# KiCad board rosco_m68k.kicad_pcb
title: rosco_m68k Classic v2; date: 2024-06-09; rev: 2.2; company: The Really Old-School Company Limited; note: OSHWA UK000006 (https://certification.oshwa.org/uk000006.html); note: https://github.com/rosco-m68k/rosco_m68k/blob/develop/LICENSE; note: Open Source Hardware licenced under CERN Open Hardware Licence; note: Copyright ©2019-2024 Ross Bamford & Contributors
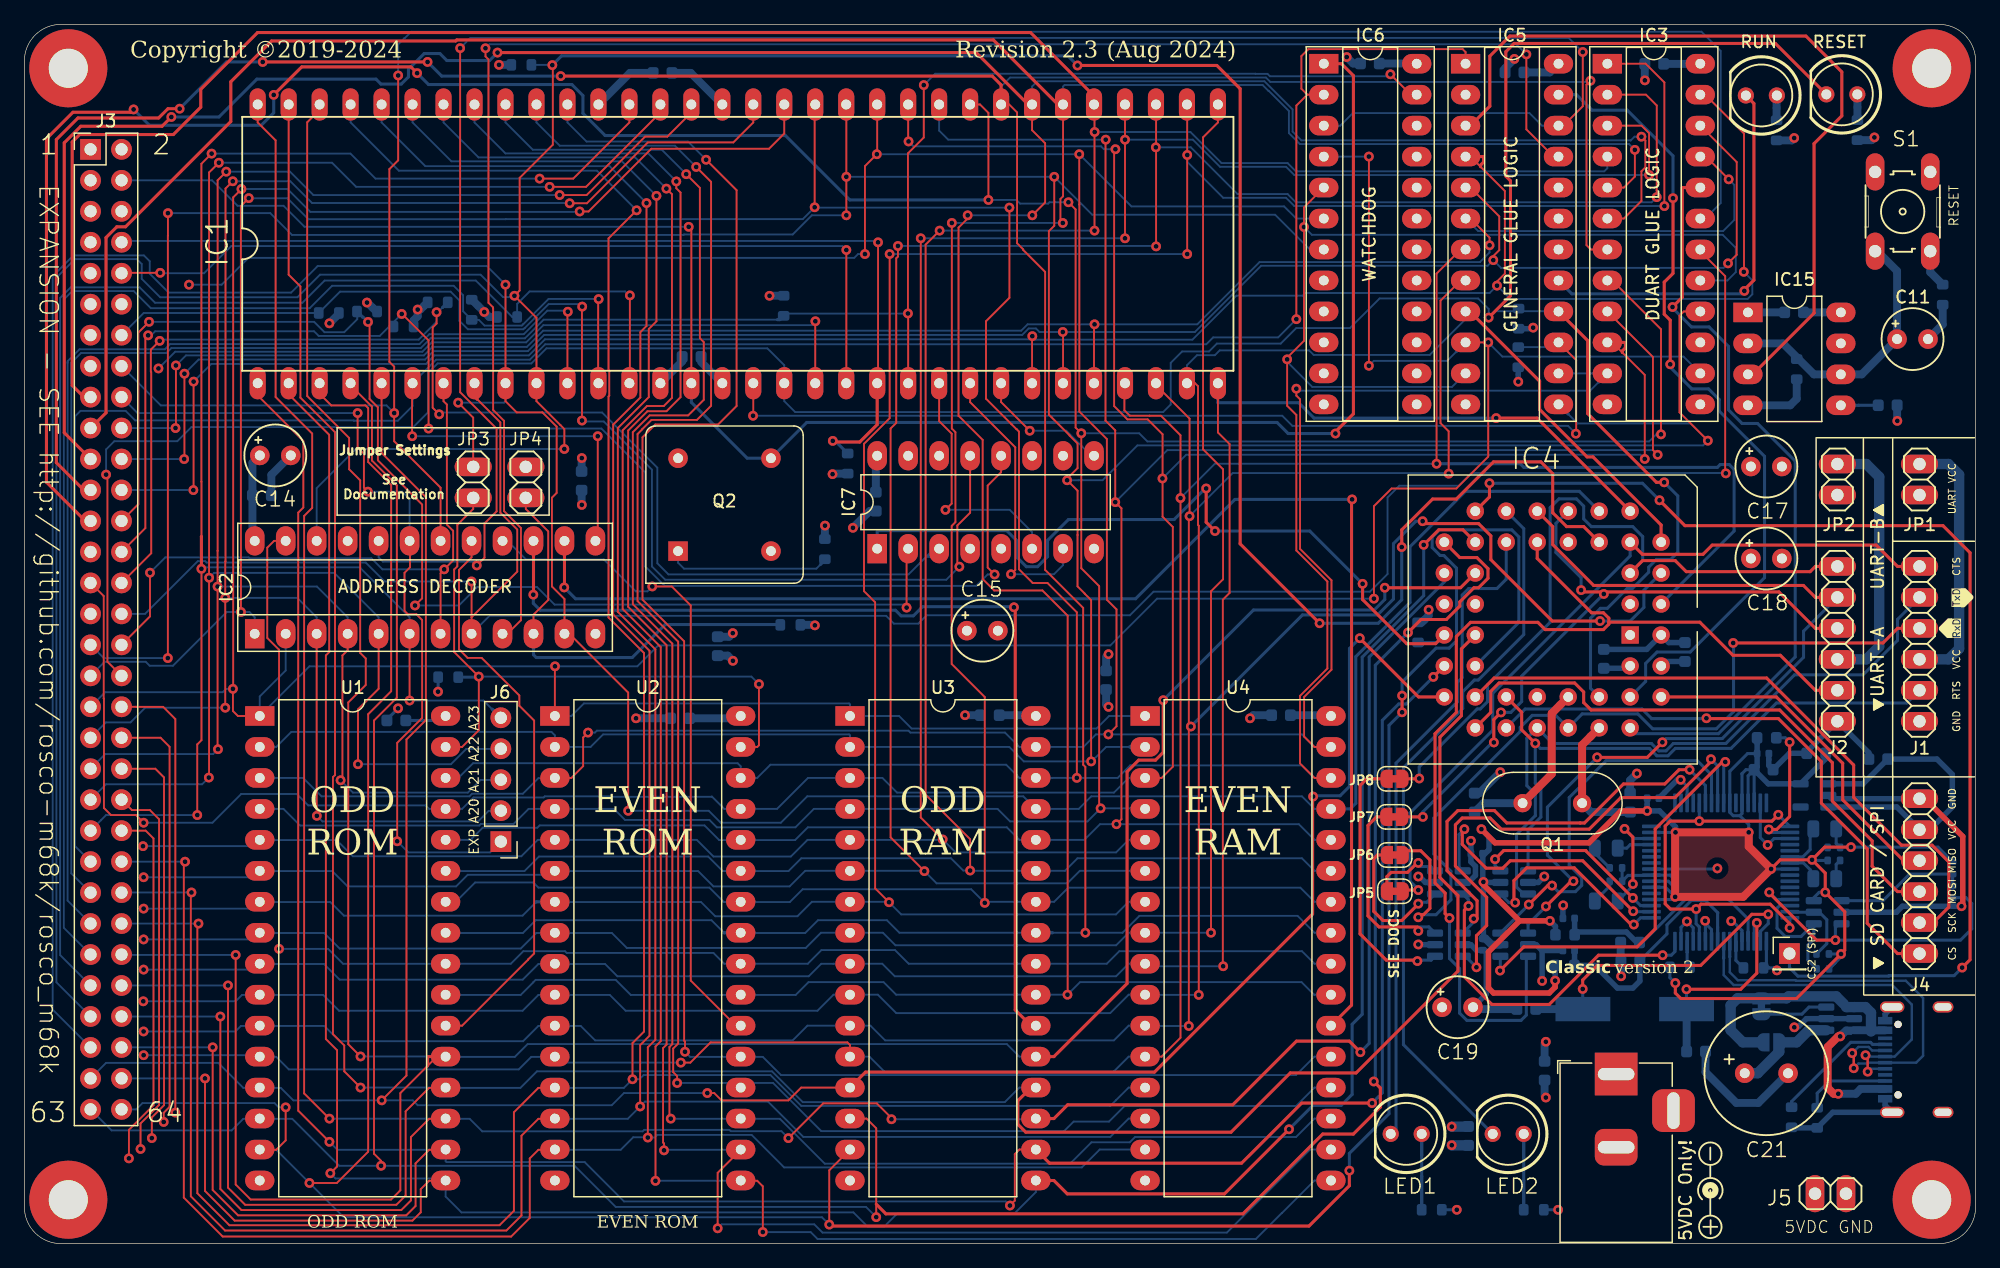
[diagram p0: board, top side]
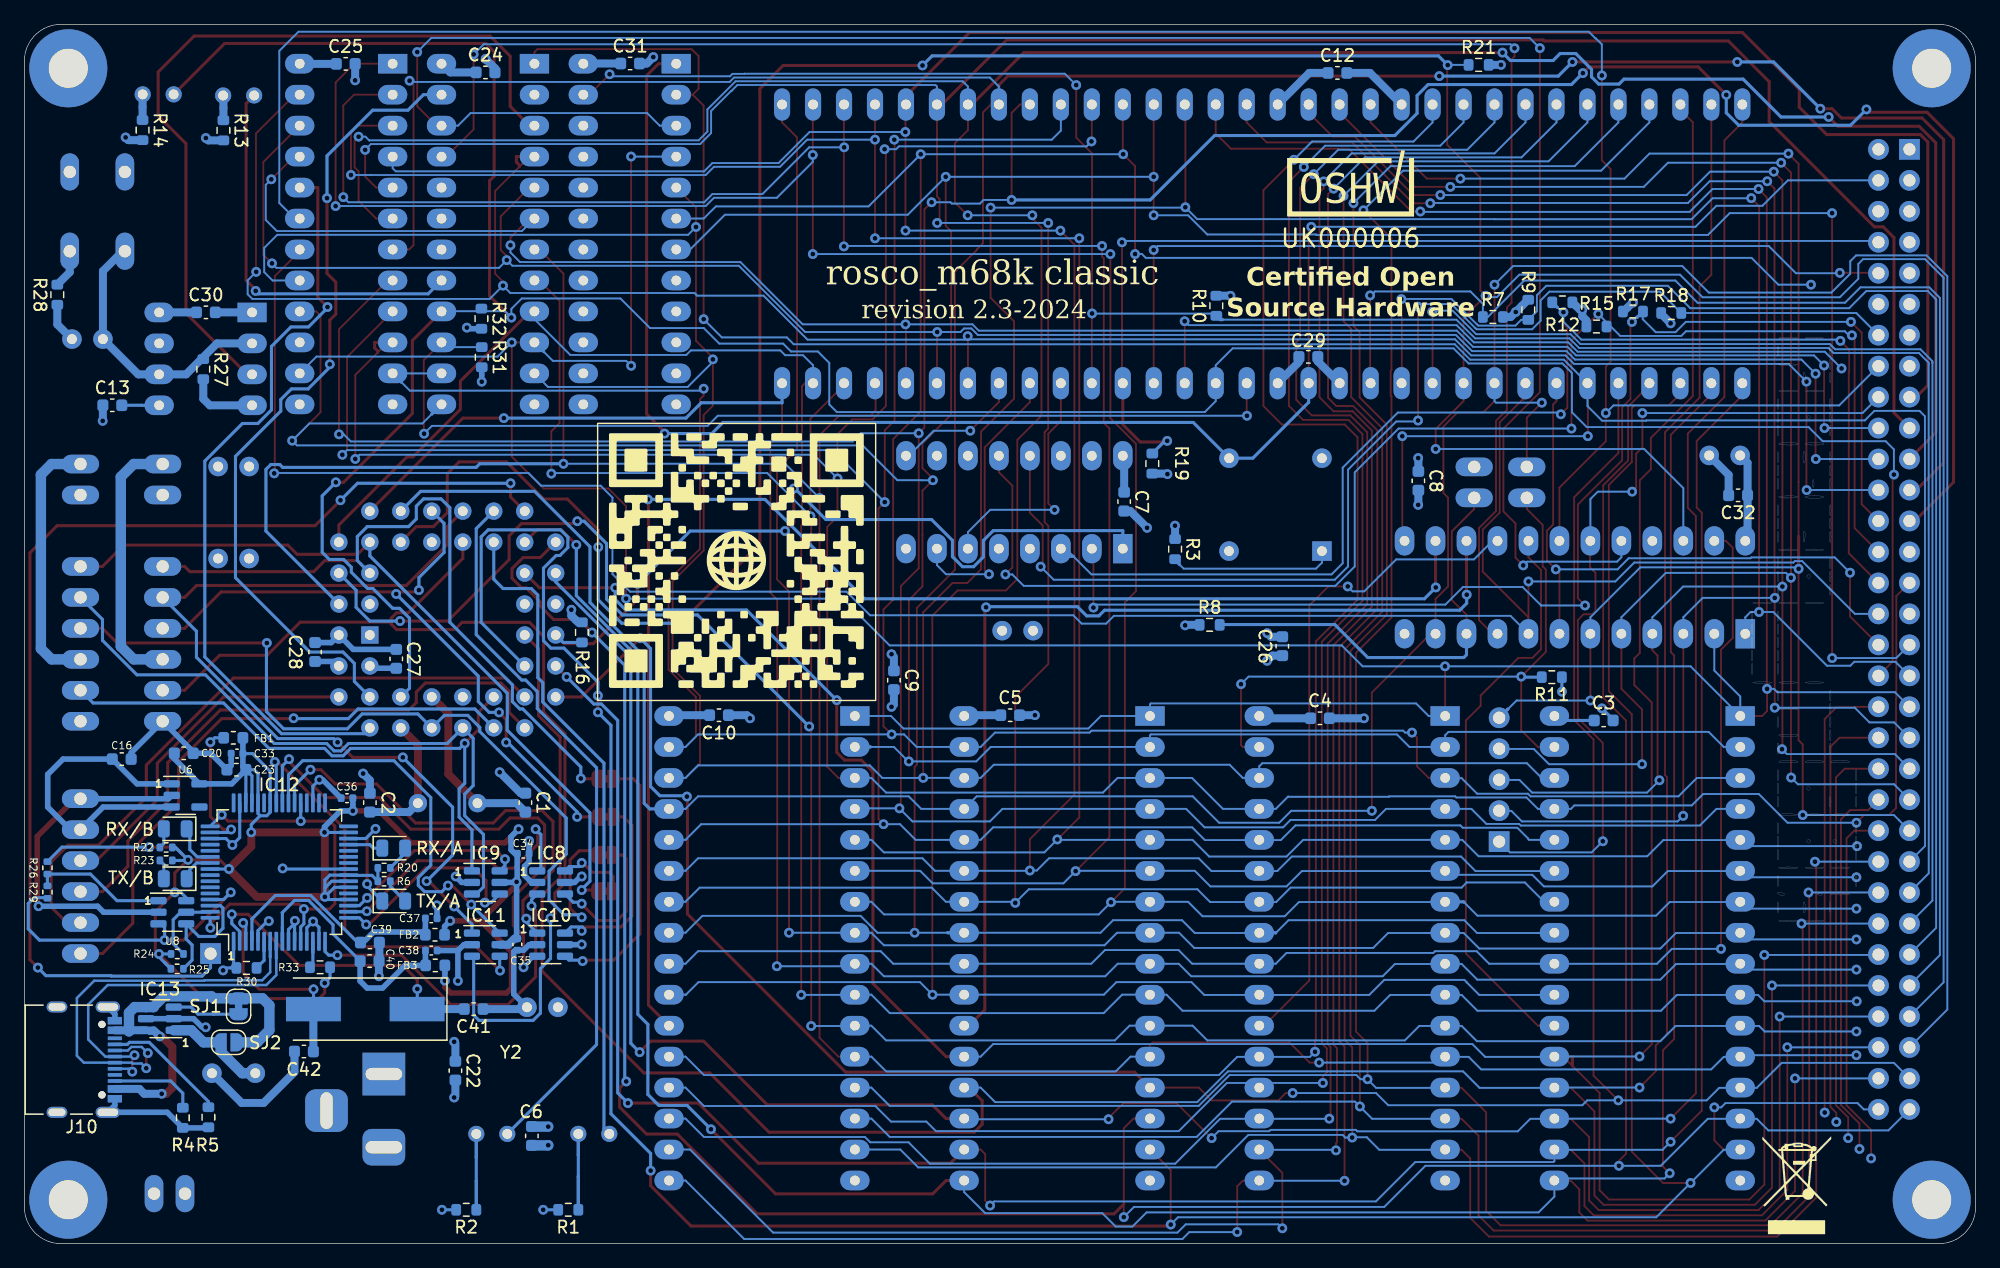
[diagram p1: board, bottom side, seen from below]

Outline 160 x 100 mm; copper layers: Top, Route2, Route15, Bottom. Coordinates in mm from the lower left corner of the outline.
Outline path: 0,97 0,3 arc(0.88,0.88) 3,0 157,0 arc(159.12,0.88) 160,3 160,97 arc(159.12,99.12) 157,100 3,100 arc(0.88,99.12) 0,97
Stack: Top 0.035mm / dielectric 0.48mm FR4 er 4.5 / Route2 0.035mm / dielectric 0.48mm FR4 er 4.5 / Route15 0.035mm / dielectric 0.48mm FR4 er 4.5 / Bottom 0.035mm

## Placement (name value [footprint] x y rotation side)
BIGROSCO  -  [MD-rosco_m68k_logo]  17.06 49.35 270 bottom
C1  7pF  [C_0603_1608Metric]  118.92 36.17 270 bottom
C2  7pF  [C_0603_1608Metric]  131.67 36.17 270 bottom
C3  100nF  [C_0603_1608Metric]  30.5 42.91 180 bottom
C4  100nF  [C_0603_1608Metric]  53.77 43.09 180 bottom
C5  100nF  [C_0603_1608Metric]  79.17 43.34 180 bottom
C6  100nF  [C_0603_1608Metric]  118.39 8.83 90 bottom
C7  100nF  [C_0603_1608Metric]  69.82 60.86 270 bottom
C8  100nF  [C_0603_1608Metric]  45.69 62.56 270 bottom
C9  100nF  [C_0603_1608Metric]  88.7 46.21 270 bottom
C10  100nF  [C_0603_1608Metric]  103.04 43.34 180 bottom
C11  100uF  [E2,5-5]  154.83 74.19 0 top
C12  100nF  [C_0603_1608Metric]  52.33 96.02 180 bottom
C13  100nF  [C_0603_1608Metric]  152.79 68.76 180 bottom
C14  100uF  [E2,5-5]  20.57 64.65 0 top
C15  100uF  [E2,5-5]  78.56 50.27 0 top
C16  4.7uF  [C_0603_1608Metric]  152.02 39.74 180 bottom
C17  100uF  [E2,5-5]  142.84 63.74 0 top
C18  100uF  [E2,5-5]  142.84 56.19 0 top
C19  100uF  [E2,5-5]  117.52 19.39 0 top
C20  4.7uF  [C_0603_1608Metric]  146.93 40.22 180 bottom
C21  470uF  [E3,5-10]  142.84 13.98 0 top
C22  100nF  [C_0603_1608Metric]  124.66 14.18 270 bottom
C23  4.7uF  [C_0603_1608Metric]  142.62 38.87 0 bottom
C24  100nF  [C_0603_1608Metric]  122.19 96.06 180 bottom
C25  100nF  [C_0603_1608Metric]  133.65 96.76 180 bottom
C26  100nF  [C_0603_1608Metric]  56.85 49 90 bottom
C27  100nF  [C_0603_1608Metric]  129.51 47.96 270 bottom
C28  100nF  [C_0603_1608Metric]  136.16 48.52 270 bottom
C29  100nF  [C_0603_1608Metric]  54.71 72.73 0 bottom
C30  100nF  [C_0603_1608Metric]  145.11 76.38 180 bottom
C31  100nF  [C_0603_1608Metric]  110.33 96.79 180 bottom
C32  100nF  [C_0603_1608Metric]  19.48 61.37 0 bottom
C33  100nF  [C_0402_1005Metric]  142.56 40.19 0 bottom
C34  100nF  [C_0402_1005Metric]  119.09 31.99 180 bottom
C35  100nF  [C_0402_1005Metric]  119.58 24.54 270 bottom
C36  100nF  [C_0402_1005Metric]  133.55 36.53 0 bottom
C37  100nF  [C_0402_1005Metric]  126.64 26.68 180 bottom
C38  100nF  [C_0402_1005Metric]  126.63 24.04 180 bottom
C39  4.7uF  [C_0603_1608Metric]  131.67 24.7 180 bottom
C40  4.7uF  [C_0603_1608Metric]  131.69 23.17 180 bottom
C41  27pF  [C_0603_1608Metric]  123.16 19.24 0 bottom
C42  27pF  [C_0603_1608Metric]  137.08 15.76 180 bottom
FB1  BLM18HE152SN1D  [L_0603_1608Metric]  142.87 41.49 180 bottom
FB2  BLM18HE152SN1D  [L_0603_1608Metric]  126.33 25.33 180 bottom
FB3  BLM18HE152SN1D  [L_0603_1608Metric]  126.31 22.82 180 bottom
G***  LOGO  [rosco-m68k.com-qr-code]  101.62 56.03 180 bottom
H1  MountingHole  [MountingHole_3.2mm_M3_Pad]  3.6 3.6 0 top
H2  MountingHole  [MountingHole_3.2mm_M3_Pad]  3.6 96.4 0 top
H3  MountingHole  [MountingHole_3.2mm_M3_Pad]  156.4 96.4 0 top
H4  MountingHole  [MountingHole_3.2mm_M3_Pad]  156.4 3.6 0 top
IC1  MC68010P10  [DIL64]  58.5 82 0 top
IC2  ATF22V10C  [DIP-24_W7.62mm_Socket_LongPads]  18.89 50.02 90 top
IC3  ATF22V10C  [DIP-24_W7.62mm_Socket_LongPads]  129.8 96.78 0 top
IC4  XR68C681CJTR-F  [PLCC-44_THT-Socket]  131.67 49.92 270 top
IC5  ATF22V10C  [DIP-24_W7.62mm_Socket_LongPads]  118.18 96.78 0 top
IC6  ATF22V10C  [DIP-24_W7.62mm_Socket_LongPads]  106.55 96.78 0 top
IC7  74LS148  [DIP-16_W7.62mm_LongPads]  69.93 57 90 top
IC8  SN74LVC2G17  [SOT-23-6]  116.81 29.62 180 bottom
IC9  SN74LVC2G17  [SOT-23-6]  122.16 29.62 180 bottom
IC10  SN74LVC2G17  [SOT-23-6]  116.81 24.52 180 bottom
IC11  SN74LVC2G17  [SOT-23-6]  122.16 24.52 180 bottom
IC12  FT2232HL  [LQFP-64_10x10mm_P0.5mm]  139.09 30.47 90 bottom
IC13  TPS22929D  [SOT-23-6]  148.89 18.45 0 bottom
IC15  555N  [DIP-8_W7.62mm_LongPads]  141.33 76.38 0 top
J1  UART_A  [1X06]  155.4 46.65 90 top
J2  UART_B  [1X06]  148.66 46.65 90 top
J3  Conn_02x32_Odd_Even  [PinHeader_2x32_P2.54mm_Vertical]  5.42 89.75 0 top
J4  Conn_01x06  [1X06]  155.4 27.6 90 top
J5  PWR  [1X02]  148.1 4.1 0 top
J6  Conn_01x05_Male  [PinHeader_1x05_P2.54mm_Vertical]  39.07 32.97 180 top
J7  Conn_01x01_Male  [PinHeader_1x01_P2.54mm_Vertical]  144.74 23.79 0 top
J9  Jack-DC  [BarrelJack_Horizontal]  130.52 13.91 90 top
J10  USB_C_Receptacle_PowerOnly_6P  [USB_C_Receptacle_Palconn_UTC16-G]  155.09 15.09 270 bottom
JP1  Jumper  [1X02]  155.4 62.67 270 top
JP2  Jumper  [1X02]  148.66 62.67 270 top
JP3  Jumper  [1X02]  36.8 62.44 270 top
JP4  Jumper  [1X02]  41.12 62.44 90 top
JP5  Jumper_2_Small_Bridged  [SolderJumper-2_P1.3mm_Bridged_RoundedPad1.0x1.5mm]  112.38 28.9 0 top
JP6  Jumper_2_Small_Bridged  [SolderJumper-2_P1.3mm_Bridged_RoundedPad1.0x1.5mm]  112.38 31.88 0 top
JP7  Jumper_2_Small_Bridged  [SolderJumper-2_P1.3mm_Bridged_RoundedPad1.0x1.5mm]  112.32 35 0 top
JP8  Jumper_2_Small_Bridged  [SolderJumper-2_P1.3mm_Bridged_RoundedPad1.0x1.5mm]  112.35 38.12 0 top
LED1  GREEN  [LED5MM]  113.31 9 180 top
LED2  RED  [LED5MM]  121.67 9 180 top
LED3  GREEN  [LED5MM]  142.43 94.17 180 top
LED4  RED  [LED5MM]  149.03 94.26 180 top
LED5  RED  [LED_0805_2012Metric]  129.71 32.44 180 bottom  (not fitted)
LED6  RED  [LED_0805_2012Metric]  129.71 28.1 180 bottom  (not fitted)
LED7  RED  [LED_0805_2012Metric]  147.63 34.02 0 bottom  (not fitted)
LED8  RED  [LED_0805_2012Metric]  147.63 29.93 0 bottom  (not fitted)
OSHW_Mono_0.25_Scale  UK000006  [OSHW_Mono_0.25_Scale]  51.25 86.95 180 bottom
POLARITY  -  [Symbol_Barrel_Polarity]  138.32 4.38 270 top
Q1  3.6864MHz  [Crystal_HC49-4H_Vertical]  122.85 36.13 0 top
Q2  5H8ET-10.000  [Oscillator_DIP-8]  53.6 56.8 0 top
R1  1K  [R_0603_1608Metric]  115.4 2.78 0 bottom
R2  1K  [R_0603_1608Metric]  123.77 2.78 0 bottom
R3  4K7  [R_0603_1608Metric]  65.64 56.96 270 bottom
R4  5.1K  [R_0603_1608Metric]  147.01 10.32 270 bottom
R5  5.1K  [R_0603_1608Metric]  144.91 10.36 90 bottom
R6  2K  [R_0402_1005Metric]  130.5 30.82 0 bottom  (not fitted)
R7  4K7  [R_0603_1608Metric]  39.58 76 180 bottom
R8  4K7  [R_0603_1608Metric]  62.81 50.75 180 bottom
R9  4K7  [R_0603_1608Metric]  36.68 76.59 90 bottom
R10  4K7  [R_0603_1608Metric]  62.26 76.92 90 bottom
R11  10K  [R_0603_1608Metric]  34.75 46.46 0 bottom
R12  4K7  [R_0603_1608Metric]  33.89 77.2 0 bottom
R13  1K  [R_0603_1608Metric]  143.68 91.31 270 bottom
R14  1K  [R_0603_1608Metric]  150.31 91.33 270 bottom
R15  4K7  [R_0603_1608Metric]  31.09 75.22 180 bottom
R16  4K7  [R_0603_1608Metric]  114.28 50.13 270 bottom
R17  4K7  [R_0603_1608Metric]  28.1 76.45 180 bottom
R18  4K7  [R_0603_1608Metric]  24.96 76.33 180 bottom
R19  10K  [R_0603_1608Metric]  67.51 63.98 90 bottom
R20  2K  [R_0402_1005Metric]  130.5 29.72 0 bottom  (not fitted)
R21  1K2  [R_0603_1608Metric]  40.75 96.68 0 bottom
R22  2K  [R_0402_1005Metric]  148.38 32.49 180 bottom  (not fitted)
R23  2K  [R_0402_1005Metric]  148.38 31.43 180 bottom  (not fitted)
R24  10K  [R_0402_1005Metric]  147.46 23.76 180 bottom  (not fitted)
R25  10K  [R_0402_1005Metric]  147.47 22.54 0 bottom  (not fitted)
R26  10K  [R_0402_1005Metric]  158.11 30.82 90 bottom  (not fitted)
R27  2K2  [R_0603_1608Metric]  145.33 71.72 270 bottom
R28  270R  [R_0603_1608Metric]  157.3 77.83 90 bottom
R29  2.2K  [R_0402_1005Metric]  158.11 28.83 90 bottom  (not fitted)
R30  12K  [R_0603_1608Metric]  141.79 22.61 180 bottom
R31  4K7  [R_0603_1608Metric]  122.5 72.7 270 bottom
R32  4K7  [R_0603_1608Metric]  122.52 75.86 270 bottom
R33  1K  [R_0603_1608Metric]  135.76 22.66 180 bottom
REF**  -  [SM-rosco_m68k_logo]  56.18 97.5 0 top
rosco  -  [SM-rosco_m68k_logo]  131.59 25.17 0 top
S1  10-XX  [B3F-10XX]  154.02 84.65 90 top
SJ1  SHORT  [SolderJumper-2_P1.3mm_Bridged_RoundedPad1.0x1.5mm]  142.44 19.46 270 bottom
SJ2  OPEN  [SolderJumper-2_P1.3mm_Open_RoundedPad1.0x1.5mm]  143.25 16.51 0 bottom
U1  SST39SF040  [DIP-32_W15.24mm_LongPads]  19.3 43.28 0 top
U2  SST39SF040  [DIP-32_W15.24mm_LongPads]  43.5 43.28 0 top
U3  AS6C4008-55PCN  [DIP-32_W15.24mm_LongPads]  67.7 43.28 0 top
U4  AS6C4008-55PCN  [DIP-32_W15.24mm_LongPads]  91.9 43.28 0 top
U6  AP2127K-3.3  [SOT-23-5]  146.78 36.76 180 bottom
U8  93LC56BT-I/OT  [SOT-23-6]  147.87 27.18 180 bottom  (not fitted)
WEEE  -  [WEEE-Logo_5.6x8mm_SilkScreen]  14.67 4.78 180 bottom
Y2  12MHz  [Crystal_SMD_HC49-SD]  132.05 19.24 0 bottom

## Library data of the parts
C1 C2 C16 C20 C23 C28-C30 C33-C40 = -: ki_fp_filters: C_*
C41 C42 = -: LCSC: C376778; ki_fp_filters: C_*
FB1 FB3 = -: ki_fp_filters: Inductor_* L_* *Ferrite*
FB2 = -: LCSC: C82155; ki_fp_filters: Inductor_* L_* *Ferrite*
H1-H4 = -: ki_fp_filters: MountingHole*Pad*
IC1 = -: Datasheet: https://github.com/rosco-m68k/hardware-projects/blob/master/datasheets/MC68000UM.pdf
IC2 IC3 IC5 IC6 = -: Datasheet: https://www.mouser.com/datasheet/2/268/doc0735-1369018.pdf; ki_fp_filters: DIP* PDIP* SOIC* SO* PLCC*
IC4 = -: Datasheet: https://www.maxlinear.com/ds/xr68c681v210.pdf; ki_fp_filters: PLCC-44 PLCC-44-M PLCC-44-L
IC7 = -: Datasheet: http://www.ti.com/lit/gpn/sn74LS148; ki_fp_filters: DIP?16*
IC8-IC11 = -: Datasheet: https://wmsc.lcsc.com/wmsc/upload/file/pdf/v2/lcsc/2306141736_UMW-Youtai-Semiconductor-Co---Ltd--SN74LVC2G17DBVR-UMW_C7394037.pdf; LCSC: C7394037
IC12 = -: Datasheet: https://www.ftdichip.com/Support/Documents/DataSheets/ICs/DS_FT2232H.pdf; LCSC: C27882; ki_fp_filters: LQFP*10x10mm*P0.5mm*
IC13 = -: Datasheet: http://www.ti.com/lit/ds/symlink/tps22929d.pdf; LCSC: C415177; ki_fp_filters: SOT?23*
J1 J2 J4 J6 J7 = -: ki_fp_filters: Connector*:*_1x??_*
J3 = -: ki_fp_filters: Connector*:*_2x??_*
J5 = -: 1: +5V; 2: GND
J9 = -: ki_fp_filters: BarrelJack*
J10 = -: Datasheet: https://www.usb.org/sites/default/files/documents/usb_type-c.zip; LCSC: C2927039; ki_fp_filters: USB*C*Receptacle*
JP1-JP4 = -: ki_fp_filters: Jumper* TestPoint*2Pads* TestPoint*Bridge*
JP5-JP8 = -: Description: Jumper, 2-pole, small symbol, bridged; ki_fp_filters: Jumper* TestPoint*2Pads* TestPoint*Bridge*
LED5-LED8 = -: LCSC: C84256; ki_fp_filters: LED* LED_SMD:* LED_THT:*
Q1 = -: ki_fp_filters: Crystal*
Q2 = -: Datasheet: http://cdn-reichelt.de/documents/datenblatt/B400/OSZI.pdf; ki_fp_filters: Oscillator*DIP*8*
R3-R6 R8 R11 R12 R15-R26 R29 R30 R33 SJ1 SJ2 = -: ki_fp_filters: R_*
U1 U2 = -: Datasheet: http://ww1.microchip.com/downloads/en/DeviceDoc/25022B.pdf
U6 = -: Datasheet: https://www.diodes.com/assets/Datasheets/AP2127.pdf; ki_fp_filters: SOT?23?5*
U8 = -: Datasheet: http://ww1.microchip.com/downloads/en/DeviceDoc/20001749K.pdf; ki_fp_filters: SOT*23*
Y2 = -: LCSC: C2975357; ki_fp_filters: Crystal*

## Footprints (pads in the part's own frame, mm; a bottom-side part is the same pattern mirrored in y, then rotated)
1X02
  oval 1.524x3.048 hole 1.016: 1(-1.27,0) 2(1.27,0)
1X06
  oval 1.524x3.048 hole 1.016: 1(-3.81,0) 2(-1.27,0) 3(1.27,0) 4(3.81,0) 5(6.35,0) 6(8.89,0)
B3F-10XX
  oval 3.048x1.524 hole 1.016: 1(-3.251,2.261) 2(3.251,2.261) 3(-3.251,-2.261) 4(3.251,-2.261)
BarrelJack_Horizontal
  rect 3.5x3.5 hole 1x3: 1(0,0)
  rrect 3x3.5 hole 1x3: 2(-6,0)
  rrect 3.5x3.5 hole 3x1: 3(-3,-4.7)
C_0402_1005Metric
  rrect 0.56x0.62 smd: 1(-0.48,0) 2(0.48,0)
C_0603_1608Metric
  rrect 0.9x0.95 smd: 1(-0.775,0) 2(0.775,0)
Crystal_HC49-4H_Vertical
  round 1.5 hole 0.8: 1(0,0) 2(4.88,0)
Crystal_SMD_HC49-SD
  rect 4.5x2 smd: 1(-4.25,0) 2(4.25,0)
DIL64
  oval 1.321x2.642 hole 0.813: 1(-39.37,-11.43) 2(-36.83,-11.43) 3(-34.29,-11.43) 4(-31.75,-11.43) 5(-29.21,-11.43) 6(-26.67,-11.43) 7(-24.13,-11.43) 8(-21.59,-11.43) 9(-19.05,-11.43) 10(-16.51,-11.43) 11(-13.97,-11.43) 12(-11.43,-11.43) 13(-8.89,-11.43) 14(-6.35,-11.43) 15(-3.81,-11.43) 16(-1.27,-11.43) 17(1.27,-11.43) 18(3.81,-11.43) 19(6.35,-11.43) 20(8.89,-11.43) 21(11.43,-11.43) 22(13.97,-11.43) 23(16.51,-11.43) 24(19.05,-11.43) 25(21.59,-11.43) 26(24.13,-11.43) 27(26.67,-11.43) 28(29.21,-11.43) 29(31.75,-11.43) 30(34.29,-11.43) 31(36.83,-11.43) 32(39.37,-11.43) 33(39.37,11.43) 34(36.83,11.43) 35(34.29,11.43) 36(31.75,11.43) 37(29.21,11.43) 38(26.67,11.43) 39(24.13,11.43) 40(21.59,11.43) 41(19.05,11.43) 42(16.51,11.43) 43(13.97,11.43) 44(11.43,11.43) 45(8.89,11.43) 46(6.35,11.43) 47(3.81,11.43) 48(1.27,11.43) 49(-1.27,11.43) 50(-3.81,11.43) 51(-6.35,11.43) 52(-8.89,11.43) 53(-11.43,11.43) 54(-13.97,11.43) 55(-16.51,11.43) 56(-19.05,11.43) 57(-21.59,11.43) 58(-24.13,11.43) 59(-26.67,11.43) 60(-29.21,11.43) 61(-31.75,11.43) 62(-34.29,11.43) 63(-36.83,11.43) 64(-39.37,11.43)
DIP-8_W7.62mm_LongPads
  rect 2.4x1.6 hole 0.8: 1(0,0)
  oval 2.4x1.6 hole 0.8: 2(0,-2.54) 3(0,-5.08) 4(0,-7.62) 5(7.62,-7.62) 6(7.62,-5.08) 7(7.62,-2.54) 8(7.62,0)
DIP-16_W7.62mm_LongPads
  rect 2.4x1.6 hole 0.8: 1(0,0)
  oval 2.4x1.6 hole 0.8: 2(0,-2.54) 3(0,-5.08) 4(0,-7.62) 5(0,-10.16) 6(0,-12.7) 7(0,-15.24) 8(0,-17.78) 9(7.62,-17.78) 10(7.62,-15.24) 11(7.62,-12.7) 12(7.62,-10.16) 13(7.62,-7.62) 14(7.62,-5.08) 15(7.62,-2.54) 16(7.62,0)
DIP-24_W7.62mm_Socket_LongPads
  rect 2.4x1.6 hole 0.8: 1(0,0)
  oval 2.4x1.6 hole 0.8: 2(0,-2.54) 3(0,-5.08) 4(0,-7.62) 5(0,-10.16) 6(0,-12.7) 7(0,-15.24) 8(0,-17.78) 9(0,-20.32) 10(0,-22.86) 11(0,-25.4) 12(0,-27.94) 13(7.62,-27.94) 14(7.62,-25.4) 15(7.62,-22.86) 16(7.62,-20.32) 17(7.62,-17.78) 18(7.62,-15.24) 19(7.62,-12.7) 20(7.62,-10.16) 21(7.62,-7.62) 22(7.62,-5.08) 23(7.62,-2.54) 24(7.62,0)
DIP-32_W15.24mm_LongPads
  rect 2.4x1.6 hole 0.8: 1(0,0)
  oval 2.4x1.6 hole 0.8: 2(0,-2.54) 3(0,-5.08) 4(0,-7.62) 5(0,-10.16) 6(0,-12.7) 7(0,-15.24) 8(0,-17.78) 9(0,-20.32) 10(0,-22.86) 11(0,-25.4) 12(0,-27.94) 13(0,-30.48) 14(0,-33.02) 15(0,-35.56) 16(0,-38.1) 17(15.24,-38.1) 18(15.24,-35.56) 19(15.24,-33.02) 20(15.24,-30.48) 21(15.24,-27.94) 22(15.24,-25.4) 23(15.24,-22.86) 24(15.24,-20.32) 25(15.24,-17.78) 26(15.24,-15.24) 27(15.24,-12.7) 28(15.24,-10.16) 29(15.24,-7.62) 30(15.24,-5.08) 31(15.24,-2.54) 32(15.24,0)
E2,5-5
  round 1.6 hole 0.813: +(-1.27,0) -(1.27,0)
E3,5-10
  round 1.6 hole 0.813: +(-1.778,0) -(1.778,0)
L_0603_1608Metric
  rrect 0.875x0.95 smd: 1(-0.787,0) 2(0.787,0)
LED5MM
  round 1.321 hole 0.813: A(-1.27,0) K(1.27,0)
LED_0805_2012Metric
  rrect 0.975x1.4 smd: 1(-0.938,0) 2(0.938,0)
LQFP-64_10x10mm_P0.5mm
  rrect 1.55x0.3 smd: 1(-5.675,3.75) 2(-5.675,3.25) 3(-5.675,2.75) 4(-5.675,2.25) 5(-5.675,1.75) 6(-5.675,1.25) 7(-5.675,0.75) 8(-5.675,0.25) 9(-5.675,-0.25) 10(-5.675,-0.75) 11(-5.675,-1.25) 12(-5.675,-1.75) 13(-5.675,-2.25) 14(-5.675,-2.75) 15(-5.675,-3.25) 16(-5.675,-3.75) 33(5.675,-3.75) 34(5.675,-3.25) 35(5.675,-2.75) 36(5.675,-2.25) 37(5.675,-1.75) 38(5.675,-1.25) 39(5.675,-0.75) 40(5.675,-0.25) 41(5.675,0.25) 42(5.675,0.75) 43(5.675,1.25) 44(5.675,1.75) 45(5.675,2.25) 46(5.675,2.75) 47(5.675,3.25) 48(5.675,3.75)
  rrect 0.3x1.55 smd: 17(-3.75,-5.675) 18(-3.25,-5.675) 19(-2.75,-5.675) 20(-2.25,-5.675) 21(-1.75,-5.675) 22(-1.25,-5.675) 23(-0.75,-5.675) 24(-0.25,-5.675) 25(0.25,-5.675) 26(0.75,-5.675) 27(1.25,-5.675) 28(1.75,-5.675) 29(2.25,-5.675) 30(2.75,-5.675) 31(3.25,-5.675) 32(3.75,-5.675) 49(3.75,5.675) 50(3.25,5.675) 51(2.75,5.675) 52(2.25,5.675) 53(1.75,5.675) 54(1.25,5.675) 55(0.75,5.675) 56(0.25,5.675) 57(-0.25,5.675) 58(-0.75,5.675) 59(-1.25,5.675) 60(-1.75,5.675) 61(-2.25,5.675) 62(-2.75,5.675) 63(-3.25,5.675) 64(-3.75,5.675)
MountingHole_3.2mm_M3_Pad
  round 6.4 hole 3.2: 1(0,0)
Oscillator_DIP-8
  rect 1.6x1.6 hole 0.8: 1(0,0)
  round 1.6 hole 0.8: 4(7.62,0) 5(7.62,7.62) 8(0,7.62)
PinHeader_1x01_P2.54mm_Vertical
  rect 1.7x1.7 hole 1: 1(0,0)
PinHeader_1x05_P2.54mm_Vertical
  rect 1.7x1.7 hole 1: 1(0,0)
  oval 1.7x1.7 hole 1: 2(0,-2.54) 3(0,-5.08) 4(0,-7.62) 5(0,-10.16)
PinHeader_2x32_P2.54mm_Vertical
  rect 1.7x1.7 hole 1: 1(0,0)
  oval 1.7x1.7 hole 1: 2(2.54,0) 3(0,-2.54) 4(2.54,-2.54) 5(0,-5.08) 6(2.54,-5.08) 7(0,-7.62) 8(2.54,-7.62) 9(0,-10.16) 10(2.54,-10.16) 11(0,-12.7) 12(2.54,-12.7) 13(0,-15.24) 14(2.54,-15.24) 15(0,-17.78) 16(2.54,-17.78) 17(0,-20.32) 18(2.54,-20.32) 19(0,-22.86) 20(2.54,-22.86) 21(0,-25.4) 22(2.54,-25.4) 23(0,-27.94) 24(2.54,-27.94) 25(0,-30.48) 26(2.54,-30.48) 27(0,-33.02) 28(2.54,-33.02) 29(0,-35.56) 30(2.54,-35.56) 31(0,-38.1) 32(2.54,-38.1) 33(0,-40.64) 34(2.54,-40.64) 35(0,-43.18) 36(2.54,-43.18) 37(0,-45.72) 38(2.54,-45.72) 39(0,-48.26) 40(2.54,-48.26) 41(0,-50.8) 42(2.54,-50.8) 43(0,-53.34) 44(2.54,-53.34) 45(0,-55.88) 46(2.54,-55.88) 47(0,-58.42) 48(2.54,-58.42) 49(0,-60.96) 50(2.54,-60.96) 51(0,-63.5) 52(2.54,-63.5) 53(0,-66.04) 54(2.54,-66.04) 55(0,-68.58) 56(2.54,-68.58) 57(0,-71.12) 58(2.54,-71.12) 59(0,-73.66) 60(2.54,-73.66) 61(0,-76.2) 62(2.54,-76.2) 63(0,-78.74) 64(2.54,-78.74)
PLCC-44_THT-Socket
  rect 1.422x1.422 hole 0.8: 1(0,0)
  round 1.422 hole 0.8: 2(-2.54,2.54) 3(-2.54,0) 4(-5.08,2.54) 5(-5.08,0) 6(-7.62,2.54) 7(-10.16,0) 8(-7.62,0) 9(-10.16,-2.54) 10(-7.62,-2.54) 11(-10.16,-5.08) 12(-7.62,-5.08) 13(-10.16,-7.62) 14(-7.62,-7.62) 15(-10.16,-10.16) 16(-7.62,-10.16) 17(-10.16,-12.7) 18(-7.62,-15.24) 19(-7.62,-12.7) 20(-5.08,-15.24) 21(-5.08,-12.7) 22(-2.54,-15.24) 23(-2.54,-12.7) 24(0,-15.24) 25(0,-12.7) 26(2.54,-15.24) 27(2.54,-12.7) 28(5.08,-15.24) 29(7.62,-12.7) 30(5.08,-12.7) 31(7.62,-10.16) 32(5.08,-10.16) 33(7.62,-7.62) 34(5.08,-7.62) 35(7.62,-5.08) 36(5.08,-5.08) 37(7.62,-2.54) 38(5.08,-2.54) 39(7.62,0) 40(5.08,2.54) 41(5.08,0) 42(2.54,2.54) 43(2.54,0) 44(0,2.54)
R_0402_1005Metric
  rrect 0.54x0.64 smd: 1(-0.51,0) 2(0.51,0)
R_0603_1608Metric
  rrect 0.8x0.95 smd: 1(-0.825,0) 2(0.825,0)
SolderJumper-2_P1.3mm_Bridged_RoundedPad1.0x1.5mm
  custom 1x1.5 smd: 1(-0.65,0) 2(0.65,0)
SolderJumper-2_P1.3mm_Open_RoundedPad1.0x1.5mm
  custom 1x1.5 smd: 1(-0.65,0) 2(0.65,0)
SOT-23-5
  rrect 1.325x0.6 smd: 1(-1.137,0.95) 2(-1.137,0) 3(-1.137,-0.95) 4(1.137,-0.95) 5(1.137,0.95)
SOT-23-6
  rrect 1.325x0.6 smd: 1(-1.137,0.95) 2(-1.137,0) 3(-1.137,-0.95) 4(1.137,-0.95) 5(1.137,0) 6(1.137,0.95)
USB_C_Receptacle_Palconn_UTC16-G
  round 0.6 hole 0.6 unplated: (-2.89,1.45) (2.89,1.45)
  rect 0.6x1.16 smd: A1(-3.2,2.51) A4(-2.4,2.51) A9(2.4,2.51) A12(3.2,2.51) B1(3.2,2.51) B4(2.4,2.51) B9(-2.4,2.51) B12(-3.2,2.51)
  rect 0.3x1.16 smd: A5(-1.25,2.51) A6(-0.25,2.51) A7(0.25,2.51) A8(1.25,2.51) B5(1.75,2.51) B6(0.75,2.51) B7(-0.75,2.51) B8(-1.75,2.51)
  oval 0.9x1.7 hole 0.6x1.4: S1(-4.32,-2.24) S1(4.32,-2.24)
  oval 0.9x2 hole 0.6x1.7: S1(-4.32,1.93) S1(4.32,1.93)
